# Altium PCB Bran_Main_Assay_PCB_v2.PcbDoc (part 10 of 15)
Units mil, origin at the board's own origin, x right, y up, seen from the top; angles counter-clockwise.
Board outline 3608.46 x 1899.79 mil, 6 copper layers (TOP, GND1, Singal, POWER, GND2, BOTTOM), stack 31.508 mil thick; 363 components, 288 nets, 1386 pads, 975 vias.
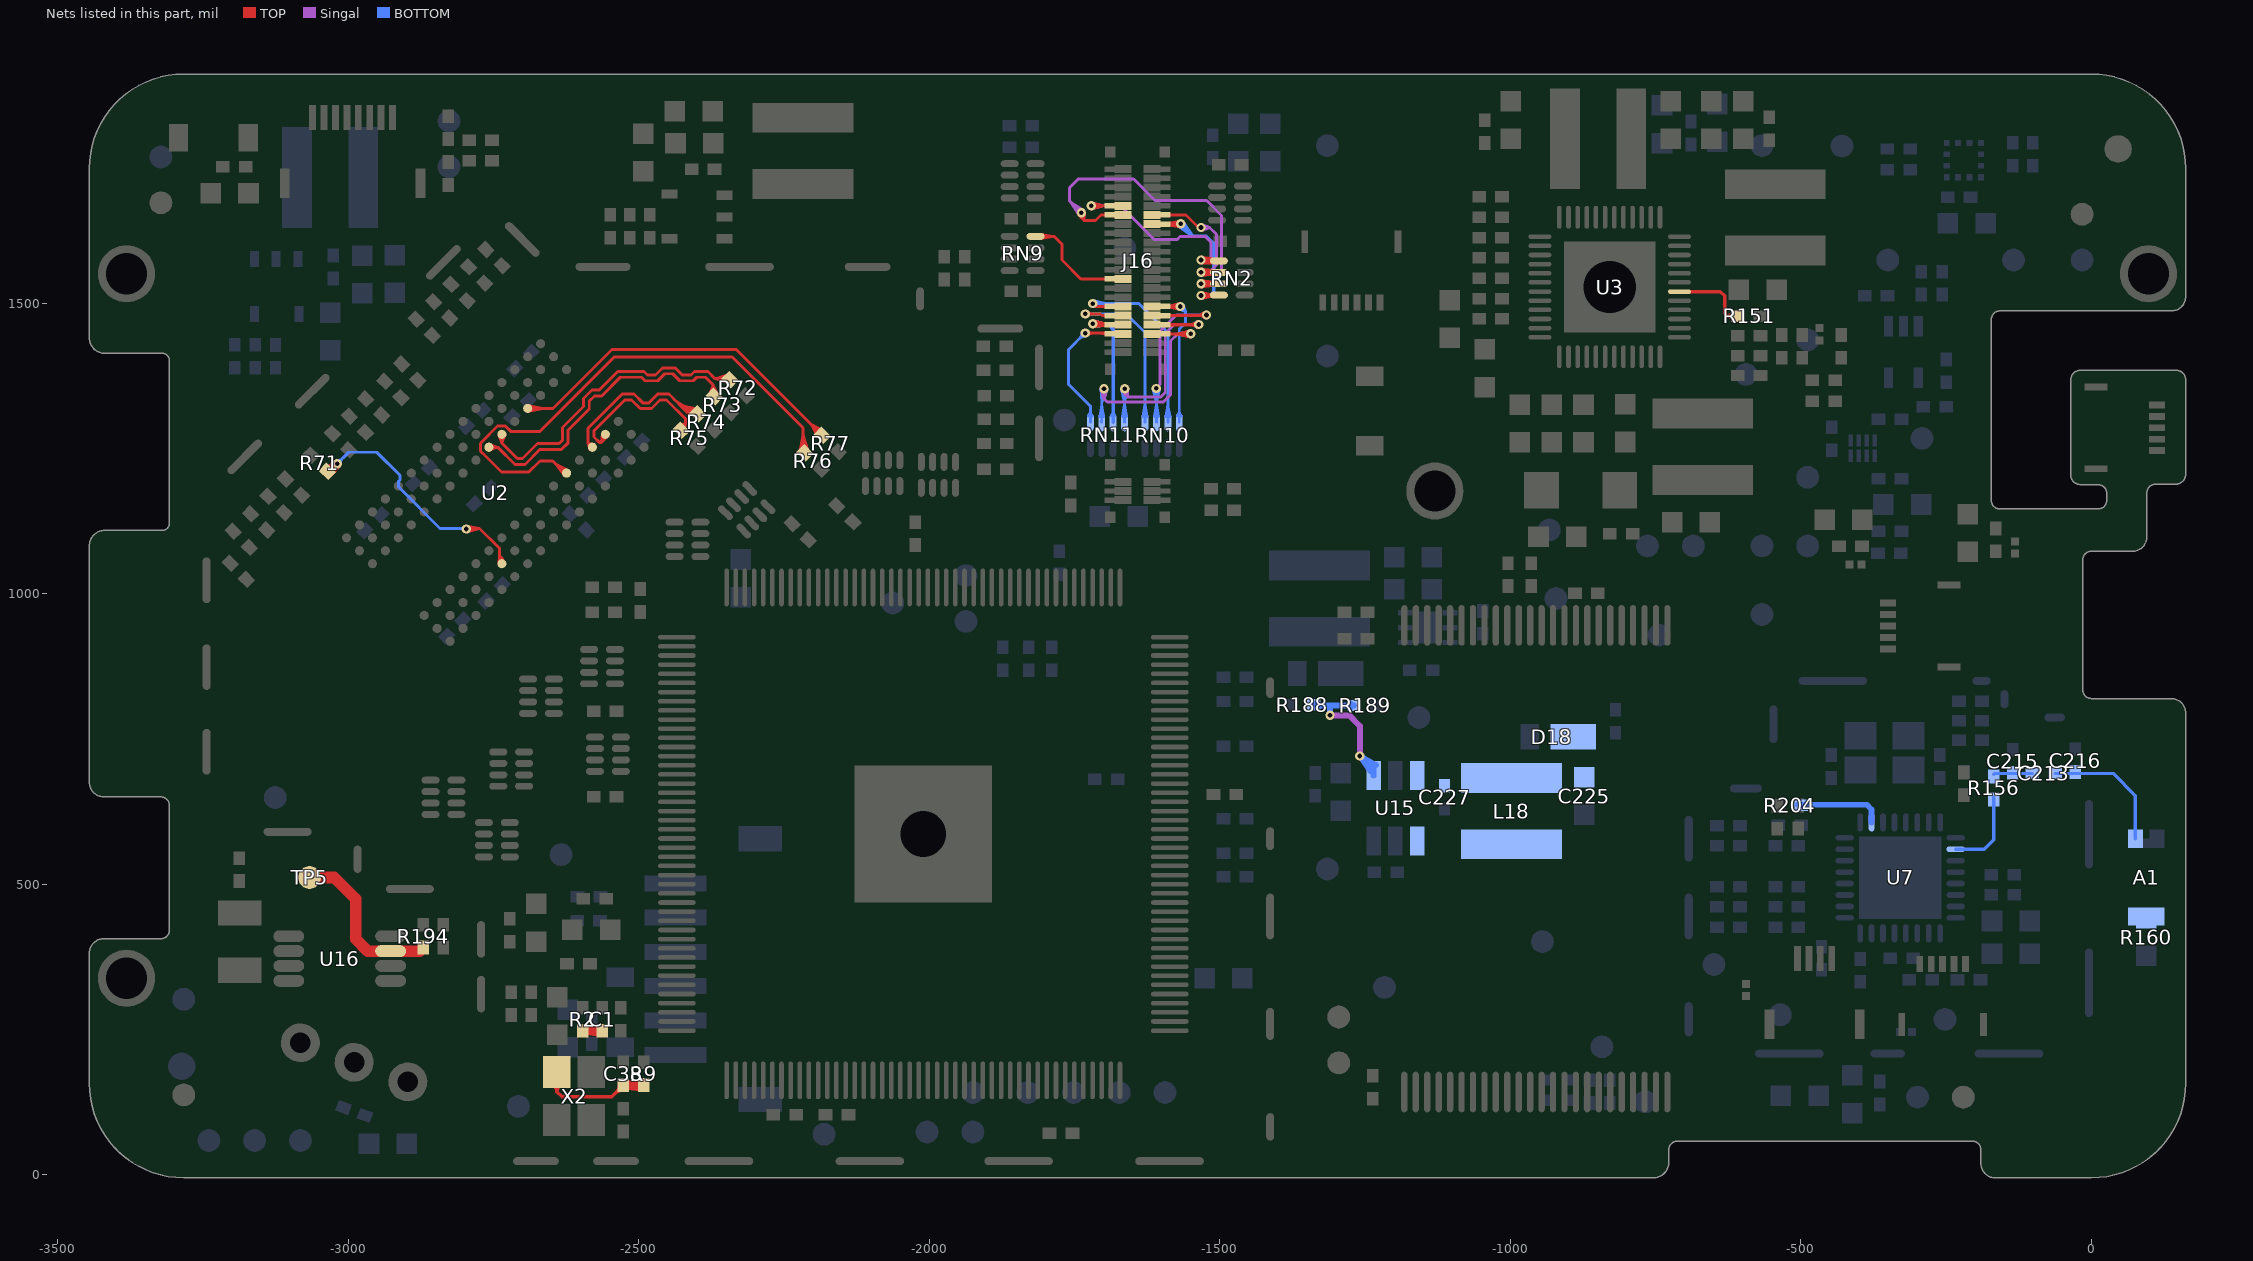
[diagram p14: the nets of this part, all layers, seen from the top]

## Via types
v1: diameter 16, hole 8, TOP to BOTTOM, tented both sides, 431 vias
v2: diameter 18, hole 10, TOP to BOTTOM, tented both sides, 257 vias
v3: diameter 22, hole 12, TOP to BOTTOM, tented both sides, 194 vias
v4: diameter 30, hole 18, TOP to BOTTOM, tented both sides, 69 vias
v5: diameter 24, hole 13, TOP to BOTTOM, tented both sides, 11 vias
v6: diameter 19.68, hole 7.87, TOP to BOTTOM, 9 vias
v7: diameter 22, hole 2, TOP to BOTTOM, tented both sides, 2 vias
v8: diameter 17.99, hole 10, TOP to BOTTOM, tented both sides, 1 vias
v9: diameter 20, hole 10, TOP to BOTTOM, tented both sides, 1 vias

## Nets (pads, with @x,y where several pads share a name; then routed paths per layer and width w, separated by ;. In a path a pad name is that pad's centre, name@x,y a point inside that pad or via, vN(x,y) a via of type N, cw(c..) or ccw(c..) an arc to the next point about the centre after c; other vN are vias at no path point) (continued)
N16977243: J16.26 RN9.8 | length 366.4
  TOP w5: RN9.8@-1817.21,1615.53 -1785.49,1615.53 -1771.96,1602.01 -1771.96,1574.73 -1739.36,1542.13 J16.26@-1689.96,1542.13 J16.26@-1666.73,1542.13 J16.26@-1685.83,1542.13 ; RN9.8@-1807.42,1612.04 -1786.71,1615.53 ; RN9.8@-1807.42,1619.02 -1786.71,1615.53 ; RN9.8@-1806.89,1612.13 -1801.45,1615.24 ; RN9.8@-1806.89,1618.93 -1801.45,1615.82 ; RN9.8@-1806.58,1612.22 -1801.45,1615.82 ; RN9.8@-1806.58,1618.84 -1801.45,1615.24 ; RN9.8@-1805.24,1613.06 cw(c-1799.26,1607.08) -1799.26,1615.53 cw(c-1799.26,1623.98) RN9.8@-1805.24,1618 ; -1713.82,1542.13 J16.26@-1694.09,1542.13 ; J16.26@-1695.67,1540.55 ccw(c-1699.46,1536.76) -1699.46,1542.13 ccw(c-1699.46,1547.5) J16.26@-1695.67,1543.7 ; J16.26@-1684.25,1540.55 cw(c-1680.46,1536.76) -1680.46,1542.13 cw(c-1680.46,1547.5) J16.26@-1684.25,1543.7 ; RN9.8@-1807.71,1615.53 -1786.71,1615.53 ; RN9.8@-1807.71,1615.53 -1801.45,1615.82 ; RN9.8@-1807.71,1615.53 -1801.45,1615.24
N16977551: J16.34 RN10.5 | length 655.8
  TOP w5: v1@-1730.65,1476.65 -1722.1,1481.54 ; v1@-1730.65,1487.34 -1722.1,1482.44 ; v1@-1730.17,1476.79 -1722.1,1482.44 ; v1@-1730.17,1487.2 -1722.1,1481.54 ; v1@-1728.06,1478.1 cw(c-1718.67,1468.71) -1718.67,1481.99 cw(c-1718.67,1495.27) v1@-1728.06,1485.88 ; J16.34@-1695.67,1477.56 ccw(c-1699.46,1473.76) -1699.46,1479.13 ccw(c-1699.46,1484.5) J16.34@-1695.67,1480.71 ; J16.34@-1694.09,1479.13 -1702.94,1479.13 ; J16.34@-1685.83,1479.13 J16.34@-1666.73,1479.13 J16.34@-1689.96,1479.13 -1702.94,1479.13 ; J16.34@-1684.25,1477.56 cw(c-1680.46,1473.76) -1680.46,1479.13 cw(c-1680.46,1484.5) J16.34@-1684.25,1480.71 ; v1(-1731.94,1481.99) -1722.1,1482.44 ; v1(-1731.94,1481.99) -1722.1,1481.54 ; v1(-1731.94,1481.99) -1705.8,1481.99 -1702.94,1479.13
  BOTTOM w5: v1@-1730.65,1476.65 -1722.1,1481.54 ; v1@-1730.65,1487.34 -1722.1,1482.44 ; v1@-1730.17,1476.79 -1722.1,1482.44 ; v1@-1730.17,1487.2 -1722.1,1481.54 ; v1@-1728.06,1478.1 cw(c-1718.67,1468.71) -1718.67,1481.99 cw(c-1718.67,1495.27) v1@-1728.06,1485.88 ; RN10.5@-1632.47,1305.23 -1628.98,1325.94 ; RN10.5@-1632.38,1305.76 -1629.27,1311.2 ; RN10.5@-1632.29,1306.07 -1628.69,1311.2 ; RN10.5@-1631.45,1307.41 ccw(c-1637.43,1313.39) -1628.98,1313.39 ccw(c-1620.53,1313.39) RN10.5@-1626.5,1307.41 ; RN10.5@-1628.98,1295.44 -1628.98,1449.99 -1660.98,1481.99 v1(-1731.94,1481.99) ; RN10.5@-1625.67,1306.07 -1629.27,1311.2 ; RN10.5@-1625.58,1305.76 -1628.69,1311.2 ; RN10.5@-1625.49,1305.23 -1628.98,1325.94 ; v1(-1731.94,1481.99) -1722.1,1482.44 ; v1(-1731.94,1481.99) -1722.1,1481.54 ; -1629.27,1311.2 RN10.5@-1628.98,1304.94 ; RN10.5@-1628.98,1304.94 -1628.98,1325.94 ; RN10.5@-1628.98,1304.94 -1628.69,1311.2
N16977552: J16.33 RN10.6 | length 822.5
  TOP w5: J16.33@-1599.21,1477.56 ccw(c-1603.01,1473.76) -1603.01,1479.13 ccw(c-1603.01,1484.5) J16.33@-1599.21,1480.71 ; J16.33@-1597.64,1479.13 J16.33@-1616.73,1479.13 J16.33@-1593.5,1479.13 v1@-1523.8,1479.13 ; J16.33@-1589.37,1479.13 -1569.65,1479.13 ; J16.33@-1587.8,1477.56 cw(c-1584,1473.76) -1584,1479.13 cw(c-1584,1484.5) J16.33@-1587.8,1480.71 ; -1538.29,1479.13 ccw(c-1538.29,1495.34) v1@-1526.83,1483.88 ; -1534.15,1479.13 cw(c-1534.15,1468.79) v1@-1526.83,1476.1 ; v1@-1525.42,1484.91 -1531.47,1478.78 ; v1@-1524.45,1485.28 -1534.1,1479.69 ; v1@-1524.15,1474.63 -1534.1,1479.69 ; v1@-1523.95,1474.58 -1531.47,1478.78 ; -1534.1,1479.69 v1(-1522.94,1479.99) -1531.47,1478.78
  Singal w5: v1(-1609.45,1353.74) -1602.95,1360.24 -1602.95,1451.99 -1574.94,1479.99 v1(-1522.94,1479.99) ; v1@-1526.83,1476.1 ccw(c-1536.22,1466.71) -1536.22,1479.99 ccw(c-1536.22,1493.27) v1@-1526.83,1483.88 ; v1@-1524.72,1474.79 -1532.79,1480.44 ; v1@-1524.72,1485.2 -1532.79,1479.54 ; v1@-1524.24,1474.65 -1532.79,1479.54 ; v1@-1524.24,1485.34 -1532.79,1480.44 ; -1532.79,1479.54 v1(-1522.94,1479.99) ; -1532.79,1480.44 v1(-1522.94,1479.99)
  BOTTOM w5: v1@-1614.9,1353.04 -1609.29,1330.74 ; v1@-1614.78,1352.41 -1609.76,1343.65 ; v1@-1614.61,1351.84 -1608.85,1344.14 ; v1@-1613.34,1349.85 cw(c-1623.11,1340.08) -1609.29,1340.08 ; RN10.6@-1612.78,1305.23 -1609.29,1325.94 ; RN10.6@-1612.69,1305.76 -1609.58,1311.2 ; RN10.6@-1612.6,1306.07 -1609,1311.2 ; RN10.6@-1611.76,1307.41 ccw(c-1617.74,1313.39) -1609.29,1313.39 ccw(c-1600.84,1313.39) RN10.6@-1606.81,1307.41 ; RN10.6@-1609.29,1295.44 -1609.29,1353.58 v1(-1609.45,1353.74) ; -1609.29,1340.85 cw(c-1596.56,1340.85) v1@-1605.56,1349.85 ; RN10.6@-1605.98,1306.07 -1609.58,1311.2 ; RN10.6@-1605.89,1305.76 -1609,1311.2 ; RN10.6@-1605.8,1305.23 -1609.29,1325.94 ; v1@-1604.21,1352.08 -1609.76,1343.65 ; v1@-1604.09,1352.5 -1608.85,1344.14 ; v1@-1603.98,1353.12 -1609.29,1330.74 ; -1609.76,1343.65 v1(-1609.45,1353.74) ; -1609.58,1311.2 RN10.6@-1609.29,1304.94 ; v1(-1609.45,1353.74) -1609.29,1330.74 ; v1(-1609.45,1353.74) -1608.85,1344.14 ; RN10.6@-1609.29,1304.94 -1609.29,1325.94 ; RN10.6@-1609.29,1304.94 -1609,1311.2
N16977553: J16.32 RN10.7 | length 654.2
  TOP w5: v1(-1718.94,1499.74) -1714.08,1494.88 J16.32@-1689.96,1494.88 J16.32@-1666.73,1494.88 J16.32@-1685.83,1494.88 ; v1@-1713.82,1494.88 J16.32@-1694.09,1494.88 ; J16.32@-1695.67,1493.31 ccw(c-1699.46,1489.51) -1699.46,1494.88 ccw(c-1699.46,1500.25) J16.32@-1695.67,1496.45 ; J16.32@-1684.25,1493.31 cw(c-1680.46,1489.51) -1680.46,1494.88 cw(c-1680.46,1500.25) J16.32@-1684.25,1496.45
  BOTTOM w5: v1@-1718.29,1494.28 -1695.94,1499.74 v1@-1718.29,1505.2 ; v1@-1717.65,1494.4 -1709.1,1499.29 ; v1@-1717.65,1505.09 -1709.1,1500.19 ; v1@-1717.17,1494.54 -1709.1,1500.19 ; v1@-1717.17,1504.95 -1709.1,1499.29 ; v1@-1715.06,1495.85 cw(c-1705.67,1486.46) -1705.67,1499.74 cw(c-1705.67,1513.02) v1@-1715.06,1503.63 ; RN10.7@-1593.1,1305.23 -1589.61,1325.94 ; RN10.7@-1593.01,1305.76 -1589.9,1311.2 ; RN10.7@-1592.92,1306.07 -1589.32,1311.2 ; RN10.7@-1592.08,1307.41 ccw(c-1598.06,1313.39) -1589.61,1313.39 ccw(c-1581.16,1313.39) RN10.7@-1587.13,1307.41 ; RN10.7@-1589.61,1295.44 -1589.61,1449.9 -1639.45,1499.74 v1(-1718.94,1499.74) ; RN10.7@-1586.3,1306.07 -1589.9,1311.2 ; RN10.7@-1586.21,1305.76 -1589.32,1311.2 ; RN10.7@-1586.12,1305.23 -1589.61,1325.94 ; v1(-1718.94,1499.74) -1709.1,1499.29 ; v1(-1718.94,1499.74) -1709.1,1500.19 ; -1589.9,1311.2 RN10.7@-1589.61,1304.94 ; RN10.7@-1589.61,1304.94 -1589.61,1325.94 ; RN10.7@-1589.61,1304.94 -1589.32,1311.2
N16977554: J16.31 RN10.8 | length 884.9
  TOP w5: J16.31@-1616.73,1494.88 J16.31@-1616.59,1494.74 ; J16.31@-1603.35,1494.74 ccw(c-1603.35,1500.59) J16.31@-1599.21,1496.45 ; J16.31@-1602.67,1494.74 cw(c-1602.67,1489.85) J16.31@-1599.21,1493.31 ; J16.31@-1597.64,1494.88 J16.31@-1616.59,1494.74 ; J16.31@-1593.5,1494.88 v1@-1569.59,1494.88 ; -1584.34,1494.74 ccw(c-1584.34,1489.85) -1587.8,1493.31 cw(c-1584,1489.51) -1584,1494.88 cw(c-1584,1500.25) -1587.8,1496.45 ccw(c-1583.66,1500.59) -1583.66,1494.74 ; -1581.57,1494.88 cw(c-1581.57,1481.12) -1571.83,1490.85 ccw(c-1581.22,1481.46) -1581.22,1494.74 ccw(c-1581.22,1508.02) -1571.83,1498.63 cw(c-1580.88,1507.68) -1580.88,1494.88 ; v1@-1569.83,1489.57 -1577.57,1495.32 ; v1@-1569.72,1489.53 -1577.79,1495.19 ; v1@-1569.72,1499.95 -1577.79,1494.29 ; v1@-1569.65,1494.74 J16.31@-1589.37,1494.88 ; v1@-1569.65,1494.88 J16.31@-1589.37,1494.88 ; v1@-1569.62,1499.98 -1578,1494.41 ; v1@-1569.45,1494.74 -1593.5,1494.74 J16.31@-1616.59,1494.74 ; v1@-1569.28,1489.4 -1578,1494.41 ; v1@-1569.24,1489.39 -1577.79,1494.29 ; v1@-1569.24,1500.09 -1577.79,1495.19 ; v1@-1569.19,1500.1 -1577.57,1495.32 ; v1@-1568.64,1489.28 J16.31@-1590.95,1494.88 ; v1@-1568.6,1489.28 J16.31@-1590.94,1494.74 ; v1@-1568.57,1500.2 J16.31@-1590.95,1494.88 ; J16.31@-1590.94,1494.74 v1(-1567.94,1494.74) ; J16.31@-1590.94,1494.74 v1@-1568.6,1500.2 ; J16.31@-1590.95,1494.88 v1(-1567.94,1494.74) ; J16.31@-1589.37,1494.88 v1(-1567.94,1494.74) ; J16.31@-1589.37,1494.88 v1@-1568.61,1500.2 ; J16.31@-1589.37,1494.88 -1568.69,1489.29 J16.31@-1589.37,1494.88 ; J16.31@-1589.37,1494.88 v1(-1567.94,1494.74) ; J16.31@-1589.37,1494.88 v1@-1568.61,1500.2 ; -1578,1494.41 v1(-1567.94,1494.74) ; -1577.79,1494.29 v1(-1567.94,1494.74) ; -1577.79,1495.19 v1(-1567.94,1494.74) ; -1577.57,1495.32 v1(-1567.94,1494.74)
  BOTTOM w5: RN10.8@-1573.32,1305.76 -1570.21,1311.2 ; RN10.8@-1573.23,1306.07 -1569.63,1311.2 ; RN10.8@-1572.39,1307.41 ccw(c-1578.37,1313.39) -1569.92,1313.39 ccw(c-1561.47,1313.39) RN10.8@-1567.44,1307.41 ; v1@-1570.9,1490.1 -1558.94,1485.74 ; RN10.8@-1569.92,1295.44 -1569.92,1456.02 -1558.94,1466.99 -1558.94,1485.74 ; v1(-1567.94,1494.74) -1558.94,1485.74 ; v1@-1567.78,1489.24 cw(c-1567.41,1477.27) -1558.95,1485.74 ; RN10.8@-1566.61,1306.07 -1570.21,1311.2 ; RN10.8@-1566.52,1305.76 -1569.63,1311.2 ; v1@-1563.31,1497.7 -1558.94,1485.74 ; v1@-1562.45,1494.57 ccw(c-1550.48,1494.21) -1558.95,1485.74 ; -1570.21,1311.2 -1569.92,1304.94 -1569.63,1311.2
N16977555: J16.38 RN11.5 | length 514.7
  TOP w5: v1@-1730.65,1443.65 -1722.1,1448.54 ; v1@-1730.65,1454.34 -1722.1,1449.44 ; v1@-1730.17,1443.79 -1722.1,1449.44 ; v1@-1730.17,1454.2 -1722.1,1448.54 ; v1@-1728.06,1445.1 cw(c-1718.67,1435.71) -1718.67,1448.99 cw(c-1718.67,1462.27) v1@-1728.06,1452.88 ; -1713.88,1448.99 -1694.09,1447.64 -1700.15,1448.65 ; -1702.73,1448.99 cw(c-1702.73,1439) J16.38@-1695.67,1446.06 ; J16.38@-1689.96,1447.64 J16.38@-1666.73,1447.64 ; J16.38@-1684.25,1449.21 ccw(c-1680.46,1453.01) -1680.46,1447.64 ccw(c-1680.46,1442.27) -1684.25,1446.06 cw(c-1677.19,1439) J16.38@-1677.19,1448.99 ; J16.38@-1679.77,1448.65 J16.38@-1685.83,1447.64 ; v1(-1731.94,1448.99) -1689.96,1448.99 J16.38@-1668.09,1448.99 ; v1(-1731.94,1448.99) -1722.1,1449.44 ; v1(-1731.94,1448.99) -1722.1,1448.54 ; J16.38@-1685.83,1447.64 J16.38@-1668.09,1448.99 ; J16.38@-1685.83,1447.64 J16.38@-1666.73,1447.64 ; J16.38@-1668.09,1448.99 J16.38@-1666.73,1447.64
  BOTTOM w5: v1@-1737.44,1448.99 cw(c-1750.72,1448.99) -1741.33,1439.6 cw(c-1731.94,1430.21) v1@-1731.94,1443.49 ; v1(-1731.94,1448.99) -1760.46,1420.47 -1760.46,1361 -1722.98,1323.51 RN11.5@-1722.98,1295.44 ; RN11.5@-1726.38,1305.76 -1723.27,1311.2 ; RN11.5@-1726.29,1306.07 -1722.69,1311.2 ; RN11.5@-1725.45,1307.41 ccw(c-1731.43,1313.39) -1722.98,1313.39 ccw(c-1714.53,1313.39) RN11.5@-1720.5,1307.41 ; RN11.5@-1719.67,1306.07 -1723.27,1311.2 ; RN11.5@-1719.58,1305.76 -1722.69,1311.2 ; -1723.27,1311.2 -1722.98,1304.94 -1722.69,1311.2
N16977556: J16.37 RN11.6 | length 1148.7
  TOP w5: J16.37@-1599.21,1446.06 ccw(c-1603.01,1442.27) -1603.01,1447.64 ccw(c-1603.01,1453.01) J16.37@-1599.21,1449.21 ; J16.37@-1597.64,1447.64 J16.37@-1616.73,1447.64 J16.37@-1593.5,1447.64 v1(-1550.35,1447.64) ; J16.37@-1589.37,1447.64 -1569.65,1447.64 ; J16.37@-1587.8,1446.06 cw(c-1584,1442.27) -1584,1447.64 cw(c-1584,1453.01) J16.37@-1587.8,1449.21 ; v1@-1554.24,1443.75 ccw(c-1563.62,1434.36) -1563.62,1447.64 ccw(c-1563.62,1460.92) v1@-1554.24,1451.53 ; v1@-1552.12,1442.43 -1560.19,1448.09 ; v1@-1552.12,1452.84 -1560.19,1447.19 ; v1@-1551.64,1442.29 -1560.19,1447.19 ; v1@-1551.64,1452.98 -1560.19,1448.09 ; v1@-1551,1442.18 -1573.35,1447.64 ; v1@-1551,1453.1 -1573.35,1447.64 ; -1573.35,1447.64 v1(-1550.35,1447.64) ; -1560.19,1447.19 v1(-1550.35,1447.64) ; -1560.19,1448.09 v1(-1550.35,1447.64)
  Singal w5: v1@-1704.89,1352.33 -1699.46,1336 ; v1@-1704.81,1351.92 -1699.92,1343.37 ; v1@-1704.67,1351.43 -1699.01,1343.37 ; v1@-1703.35,1349.32 cw(c-1712.74,1339.93) -1699.46,1339.93 cw(c-1686.19,1339.93) v1@-1695.58,1349.32 ; v1@-1694.26,1351.43 -1699.92,1343.37 ; v1@-1694.12,1351.92 -1699.01,1343.37 ; v1@-1694.04,1352.33 -1699.46,1336 ; v1@-1554.24,1443.75 ccw(c-1563.62,1434.36) -1563.62,1447.64 ccw(c-1563.62,1460.92) v1@-1554.24,1451.53 ; v1@-1552.12,1442.43 -1560.19,1448.09 ; v1@-1552.12,1452.84 -1560.19,1447.19 ; v1@-1551.64,1442.29 -1560.19,1447.19 ; v1@-1551.64,1452.98 -1560.19,1448.09 ; v1@-1551.03,1442.18 -1572.55,1447.64 ; v1@-1551.03,1453.1 -1572.55,1447.64 ; -1699.92,1343.37 v1(-1699.46,1353.21) ; -1699.46,1336 v1(-1699.46,1353.21) ; -1699.46,1336 -1693.7,1330.24 -1597.5,1330.24 -1584.95,1342.79 -1584.95,1435.24 -1572.55,1447.64 ; -1699.46,1336 v1(-1699.46,1353.21) ; v1(-1699.46,1353.21) -1699.01,1343.37 ; -1572.55,1447.64 v1(-1550.35,1447.64) ; -1572.55,1447.64 v1(-1550.35,1447.64) ; -1560.19,1447.19 v1(-1550.35,1447.64) ; -1560.19,1448.09 v1(-1550.35,1447.64)
  BOTTOM w5: RN11.6@-1706.78,1305.23 -1703.29,1325.94 ; RN11.6@-1706.69,1305.76 -1703.58,1311.2 ; RN11.6@-1706.6,1306.07 -1703,1311.2 ; RN11.6@-1705.76,1307.41 ccw(c-1711.74,1313.39) -1703.29,1313.39 ccw(c-1694.84,1313.39) RN11.6@-1700.81,1307.41 ; v1@-1704.96,1353.27 -1702.39,1337.52 ; v1@-1704.96,1353.45 -1703.29,1329.07 ; RN11.6@-1704.45,1296.6 RN11.6@-1703.29,1295.44 -1703.29,1349.39 v1(-1699.46,1353.21) ; -1703.29,1330.7 cw(c-1676.95,1330.7) v1@-1695.58,1349.32 ; -1703.29,1342.77 cw(c-1689.03,1342.77) v1@-1699.11,1352.86 ; RN11.6@-1699.98,1306.07 -1703.58,1311.2 ; RN11.6@-1699.89,1305.76 -1703,1311.2 ; RN11.6@-1699.8,1305.23 -1703.29,1325.94 ; v1@-1694.31,1351.29 -1702.39,1337.52 ; v1@-1694.16,1351.74 -1703.29,1329.07 ; -1703.58,1311.2 RN11.6@-1703.29,1304.94 ; RN11.6@-1703.29,1304.94 -1703.29,1325.94 ; RN11.6@-1703.29,1304.94 -1703,1311.2 ; -1703.29,1329.07 v1(-1699.46,1353.21) ; -1702.39,1337.52 v1(-1699.46,1353.21)
N16977557: J16.36 RN11.7 | length 655.7
  TOP w6: v1@-1718.77,1460 J16.36@-1692.78,1463.39 ; v1@-1718.76,1460 J16.36@-1694.09,1463.39 ; v1@-1718.29,1460.04 -1707.54,1463.98 ; v1@-1717.43,1469.76 -1707.54,1463.98 ; v1@-1715.46,1463 v1@-1715.08,1463.39 ; v1@-1715.41,1461.46 cw(c-1710.75,1456.8) -1710.75,1463.39 ; v1@-1715.41,1468.53 ccw(c-1703,1480.94) -1703,1463.39 ; J16.36@-1685.83,1463.39 J16.36@-1666.73,1463.39 J16.36@-1689.96,1463.39 v1@-1715.08,1463.39 ; v1(-1718.94,1464.99) J16.36@-1694.09,1463.39 ; v1(-1718.94,1464.99) -1707.54,1463.98 ; v1(-1718.94,1464.99) J16.36@-1692.78,1463.39 ; v1@-1715.08,1463.39 J16.36@-1694.09,1463.39 ; J16.36@-1694.09,1463.39 -1718.12,1469.92 J16.36@-1692.78,1463.39
  BOTTOM w6: v1@-1718.85,1459.99 -1692.73,1463 ; v1@-1718.46,1460.02 -1706.95,1463.64 ; v1@-1718.09,1469.92 -1692.73,1463 ; v1@-1717.37,1469.74 -1706.95,1463.64 ; v1@-1715.46,1463 -1691.46,1463 -1683.61,1455.14 RN11.7@-1683.61,1295.44 ; v1@-1715.41,1468.53 ccw(c-1702.06,1481.87) -1702.06,1463 ; RN11.7@-1685.73,1307.06 ccw(c-1690.85,1312.18) -1683.61,1312.18 ccw(c-1676.37,1312.18) RN11.7@-1681.49,1307.06 ; RN11.7@-1683.61,1304.94 -1683.61,1328.94 ; -1706.95,1463.64 v1(-1718.94,1464.99) -1692.73,1463
N16977558: J16.35 RN11.8 | length 974
  TOP w6: J16.35@-1597.64,1463.39 J16.35@-1616.73,1463.39 J16.35@-1593.5,1463.39 -1536.8,1463.39 v1(-1536.45,1463.74) ; J16.35@-1589.37,1463.39 -1566.65,1463.39 ; -1549.38,1463.39 ccw(c-1549.38,1476.67) v1@-1539.98,1467.28 ; -1547.66,1463.39 cw(c-1547.66,1452.52) v1@-1539.98,1460.2 ; v1@-1538.34,1468.37 -1544.85,1463.02 ; v1@-1537.82,1458.93 -1545.94,1463.84 ; v1@-1537.72,1468.58 -1545.94,1463.84 ; v1@-1537.51,1458.86 -1544.85,1463.02 ; -1545.94,1463.84 v1(-1536.45,1463.74) ; -1544.85,1463.02 v1(-1536.45,1463.74)
  Singal w5: v1@-1668.63,1350.37 -1658.7,1339.24 ; v1@-1666.31,1348.26 cw(c-1668.14,1344.45) -1663.92,1344.45 ; v1@-1663.52,1352.91 ccw(c-1657.61,1348.54) -1662.81,1343.34 ; v1@-1661.53,1348.26 ccw(c-1659.7,1344.45) -1663.92,1344.45 ; v1@-1659.5,1349.94 ccw(c-1652.9,1345.05) -1658.71,1339.24 ; v1@-1658.5,1354.15 -1658.7,1339.24 ; v1@-1540.34,1459.85 ccw(c-1549.73,1450.46) -1549.73,1463.74 ccw(c-1549.73,1477.02) v1@-1540.34,1467.63 ; v1@-1538.22,1458.53 -1546.29,1464.19 ; v1@-1538.22,1468.95 -1546.29,1463.29 ; v1@-1537.74,1458.39 -1546.29,1463.29 ; v1@-1537.74,1469.09 -1546.29,1464.19 ; -1663.92,1344.45 v1(-1663.92,1353.21) ; -1663.92,1344.45 -1669.14,1351.48 -1663.92,1344.45 ; -1663.92,1344.45 -1658.7,1351.48 -1663.92,1344.45 ; -1663.92,1344.45 v1(-1663.92,1353.21) ; -1663.92,1344.45 v1(-1663.92,1353.21) ; -1663.92,1344.45 -1658.7,1339.24 ; v1(-1663.92,1353.21) -1658.7,1339.24 ; -1658.7,1339.24 -1601.22,1339.24 -1593.95,1346.52 -1593.95,1448.24 -1578.45,1463.74 v1(-1536.45,1463.74) ; -1546.29,1463.29 v1(-1536.45,1463.74) ; -1546.29,1464.19 v1(-1536.45,1463.74)
  BOTTOM w5: v1@-1669.38,1352.55 -1663.92,1330.21 ; v1@-1669.27,1351.92 -1664.37,1343.37 ; v1@-1669.12,1351.43 -1663.47,1343.37 ; v1@-1667.81,1349.32 cw(c-1677.2,1339.93) -1663.92,1339.93 cw(c-1650.64,1339.93) v1@-1660.03,1349.32 ; RN11.8@-1667.41,1305.23 -1663.92,1325.94 ; RN11.8@-1667.32,1305.76 -1664.21,1311.2 ; RN11.8@-1667.23,1306.07 -1663.63,1311.2 ; RN11.8@-1666.39,1307.41 ccw(c-1672.37,1313.39) -1663.92,1313.39 ccw(c-1655.47,1313.39) RN11.8@-1661.44,1307.41 ; RN11.8@-1663.92,1295.44 v1(-1663.92,1353.21) ; RN11.8@-1660.61,1306.07 -1664.21,1311.2 ; RN11.8@-1660.52,1305.76 -1663.63,1311.2 ; RN11.8@-1660.43,1305.23 -1663.92,1325.94 ; v1@-1658.71,1351.43 -1664.37,1343.37 ; v1@-1658.57,1351.92 -1663.47,1343.37 ; v1@-1658.46,1352.55 -1663.92,1330.21 ; -1664.37,1343.37 v1(-1663.92,1353.21) ; -1664.21,1311.2 RN11.8@-1663.92,1304.94 ; RN11.8@-1663.92,1304.94 -1663.92,1325.94 ; RN11.8@-1663.92,1304.94 -1663.63,1311.2 ; -1663.92,1330.21 v1(-1663.92,1353.21) ; v1(-1663.92,1353.21) -1663.47,1343.37
N16978242: J16.10 RN2.5 | length 1302.6
  TOP w5: v1@-1720.21,1673.35 -1711.79,1668.55 ; v1@-1720.14,1662.66 -1711.45,1667.64 ; v1@-1719.77,1673.23 -1711.45,1667.64 ; v1@-1719.61,1662.82 -1711.79,1668.55 ; v1@-1717.58,1664.11 cw(c-1707.92,1654.46) -1707.92,1668.11 ; v1@-1717.58,1671.89 ccw(c-1708.45,1681.01) -1708.45,1668.11 ; v1@-1713.82,1668.11 J16.10@-1694.09,1668.11 ; J16.10@-1695.67,1666.54 ccw(c-1699.46,1662.74) -1699.46,1668.11 ccw(c-1699.46,1673.48) J16.10@-1695.67,1669.68 ; J16.10@-1685.83,1668.11 J16.10@-1666.73,1668.11 J16.10@-1689.96,1668.11 -1721.46,1668.11 -1721.82,1668.11 -1721.71,1668 v1(-1721.46,1668) ; J16.10@-1684.25,1666.54 cw(c-1680.46,1662.74) -1680.46,1668.11 cw(c-1680.46,1673.48) J16.10@-1684.25,1669.68 ; v1@-1533.02,1569.27 RN2.5@-1511.73,1569.81 ; v1@-1532.26,1580.24 RN2.5@-1511.25,1576.77 ; v1@-1532.12,1569.25 RN2.5@-1511.2,1573.27 ; v1@-1531.79,1569.28 -1509.45,1574.74 v1@-1531.79,1580.2 ; v1@-1531.36,1580.13 RN2.5@-1511.2,1573.27 ; v1@-1531.22,1569.38 RN2.5@-1511.25,1576.77 ; v1@-1531.16,1569.39 -1522.61,1574.29 ; v1@-1531.16,1580.09 -1522.61,1575.19 ; v1@-1530.67,1569.53 -1522.61,1575.19 ; v1@-1530.67,1579.95 -1522.61,1574.29 ; v1@-1530.5,1579.88 RN2.5@-1511.73,1569.81 ; v1@-1528.56,1570.85 cw(c-1519.17,1561.46) -1519.17,1574.74 cw(c-1519.17,1588.02) v1@-1528.56,1578.63 ; -1523.2,1574.74 cw(c-1523.2,1561.27) RN2.5@-1513.67,1570.8 ; RN2.5@-1512.31,1569.95 -1519.71,1574.28 ; RN2.5@-1511.5,1576.76 -1519.71,1574.28 ; RN2.5@-1501.7,1573.27 -1503.17,1574.74 v1(-1532.45,1574.74) ; v1(-1721.46,1668) J16.10@-1698.46,1668.11 ; v1(-1721.46,1668) J16.10@-1698.46,1668.11 ; v1(-1721.46,1668) -1711.79,1668.55 ; v1(-1721.46,1668) -1711.45,1667.64 ; J16.10@-1698.46,1668.11 -1720.78,1662.54 J16.10@-1698.46,1668.11 ; J16.10@-1698.46,1668.11 -1720.83,1673.46 J16.10@-1698.46,1668.11 ; v1(-1532.45,1574.74) RN2.5@-1511.2,1573.27 ; v1(-1532.45,1574.74) RN2.5@-1511.25,1576.77 ; v1(-1532.45,1574.74) RN2.5@-1511.73,1569.81 ; v1(-1532.45,1574.74) -1522.61,1575.19 ; v1(-1532.45,1574.74) -1522.61,1574.29 ; v1@-1532.22,1574.74 RN2.5@-1511.2,1573.27 ; v1@-1532.22,1574.74 RN2.5@-1511.25,1576.77 ; v1@-1532.22,1574.74 RN2.5@-1511.73,1569.81 ; -1519.71,1574.28 RN2.5@-1511.2,1573.27
  Singal w5: v1@-1720.83,1673.46 -1698.46,1668.11 ; v1@-1720.78,1662.54 -1698.46,1668.11 ; v1@-1720.21,1673.35 -1711.79,1668.55 ; v1@-1720.14,1662.66 -1711.45,1667.64 ; v1@-1719.77,1673.23 -1711.45,1667.64 ; v1@-1719.61,1662.82 -1711.79,1668.55 ; v1@-1717.58,1664.11 cw(c-1707.92,1654.46) -1707.92,1668.11 ; v1@-1717.58,1671.89 ccw(c-1708.45,1681.01) -1708.45,1668.11 ; v1@-1531.19,1569.39 -1520.45,1574.74 ; v1@-1531.19,1580.09 -1520.45,1574.74 ; v1@-1531.05,1569.42 -1523.86,1574.16 ; v1@-1531.05,1580.06 -1523.86,1575.32 ; v1@-1530.35,1569.66 -1523.86,1575.32 ; v1@-1530.35,1579.82 -1523.86,1574.16 ; v1@-1528.28,1571.15 cw(c-1520.45,1564.4) -1520.45,1574.74 ; v1@-1528.28,1578.33 ccw(c-1520.45,1585.08) -1520.45,1574.74 ; v1(-1721.46,1668) -1698.46,1668.11 ; v1(-1721.46,1668) -1711.79,1668.55 ; v1(-1721.46,1668) -1711.45,1667.64 ; v1(-1721.46,1668) -1721.71,1668 -1721.82,1668.11 -1721.46,1668.11 -1670.82,1668.11 -1612.45,1609.74 -1573.94,1609.74 -1568.44,1615.24 -1525.2,1615.24 -1514.95,1604.99 -1514.95,1580.24 -1520.45,1574.74 ; v1(-1532.45,1574.74) -1523.86,1575.32 ; v1(-1532.45,1574.74) -1523.86,1574.16 ; v1(-1532.45,1574.74) -1520.45,1574.74